# KiCad board Panel_R0.5.1_300x300_2layer_step1.kicad_pcb (continued)
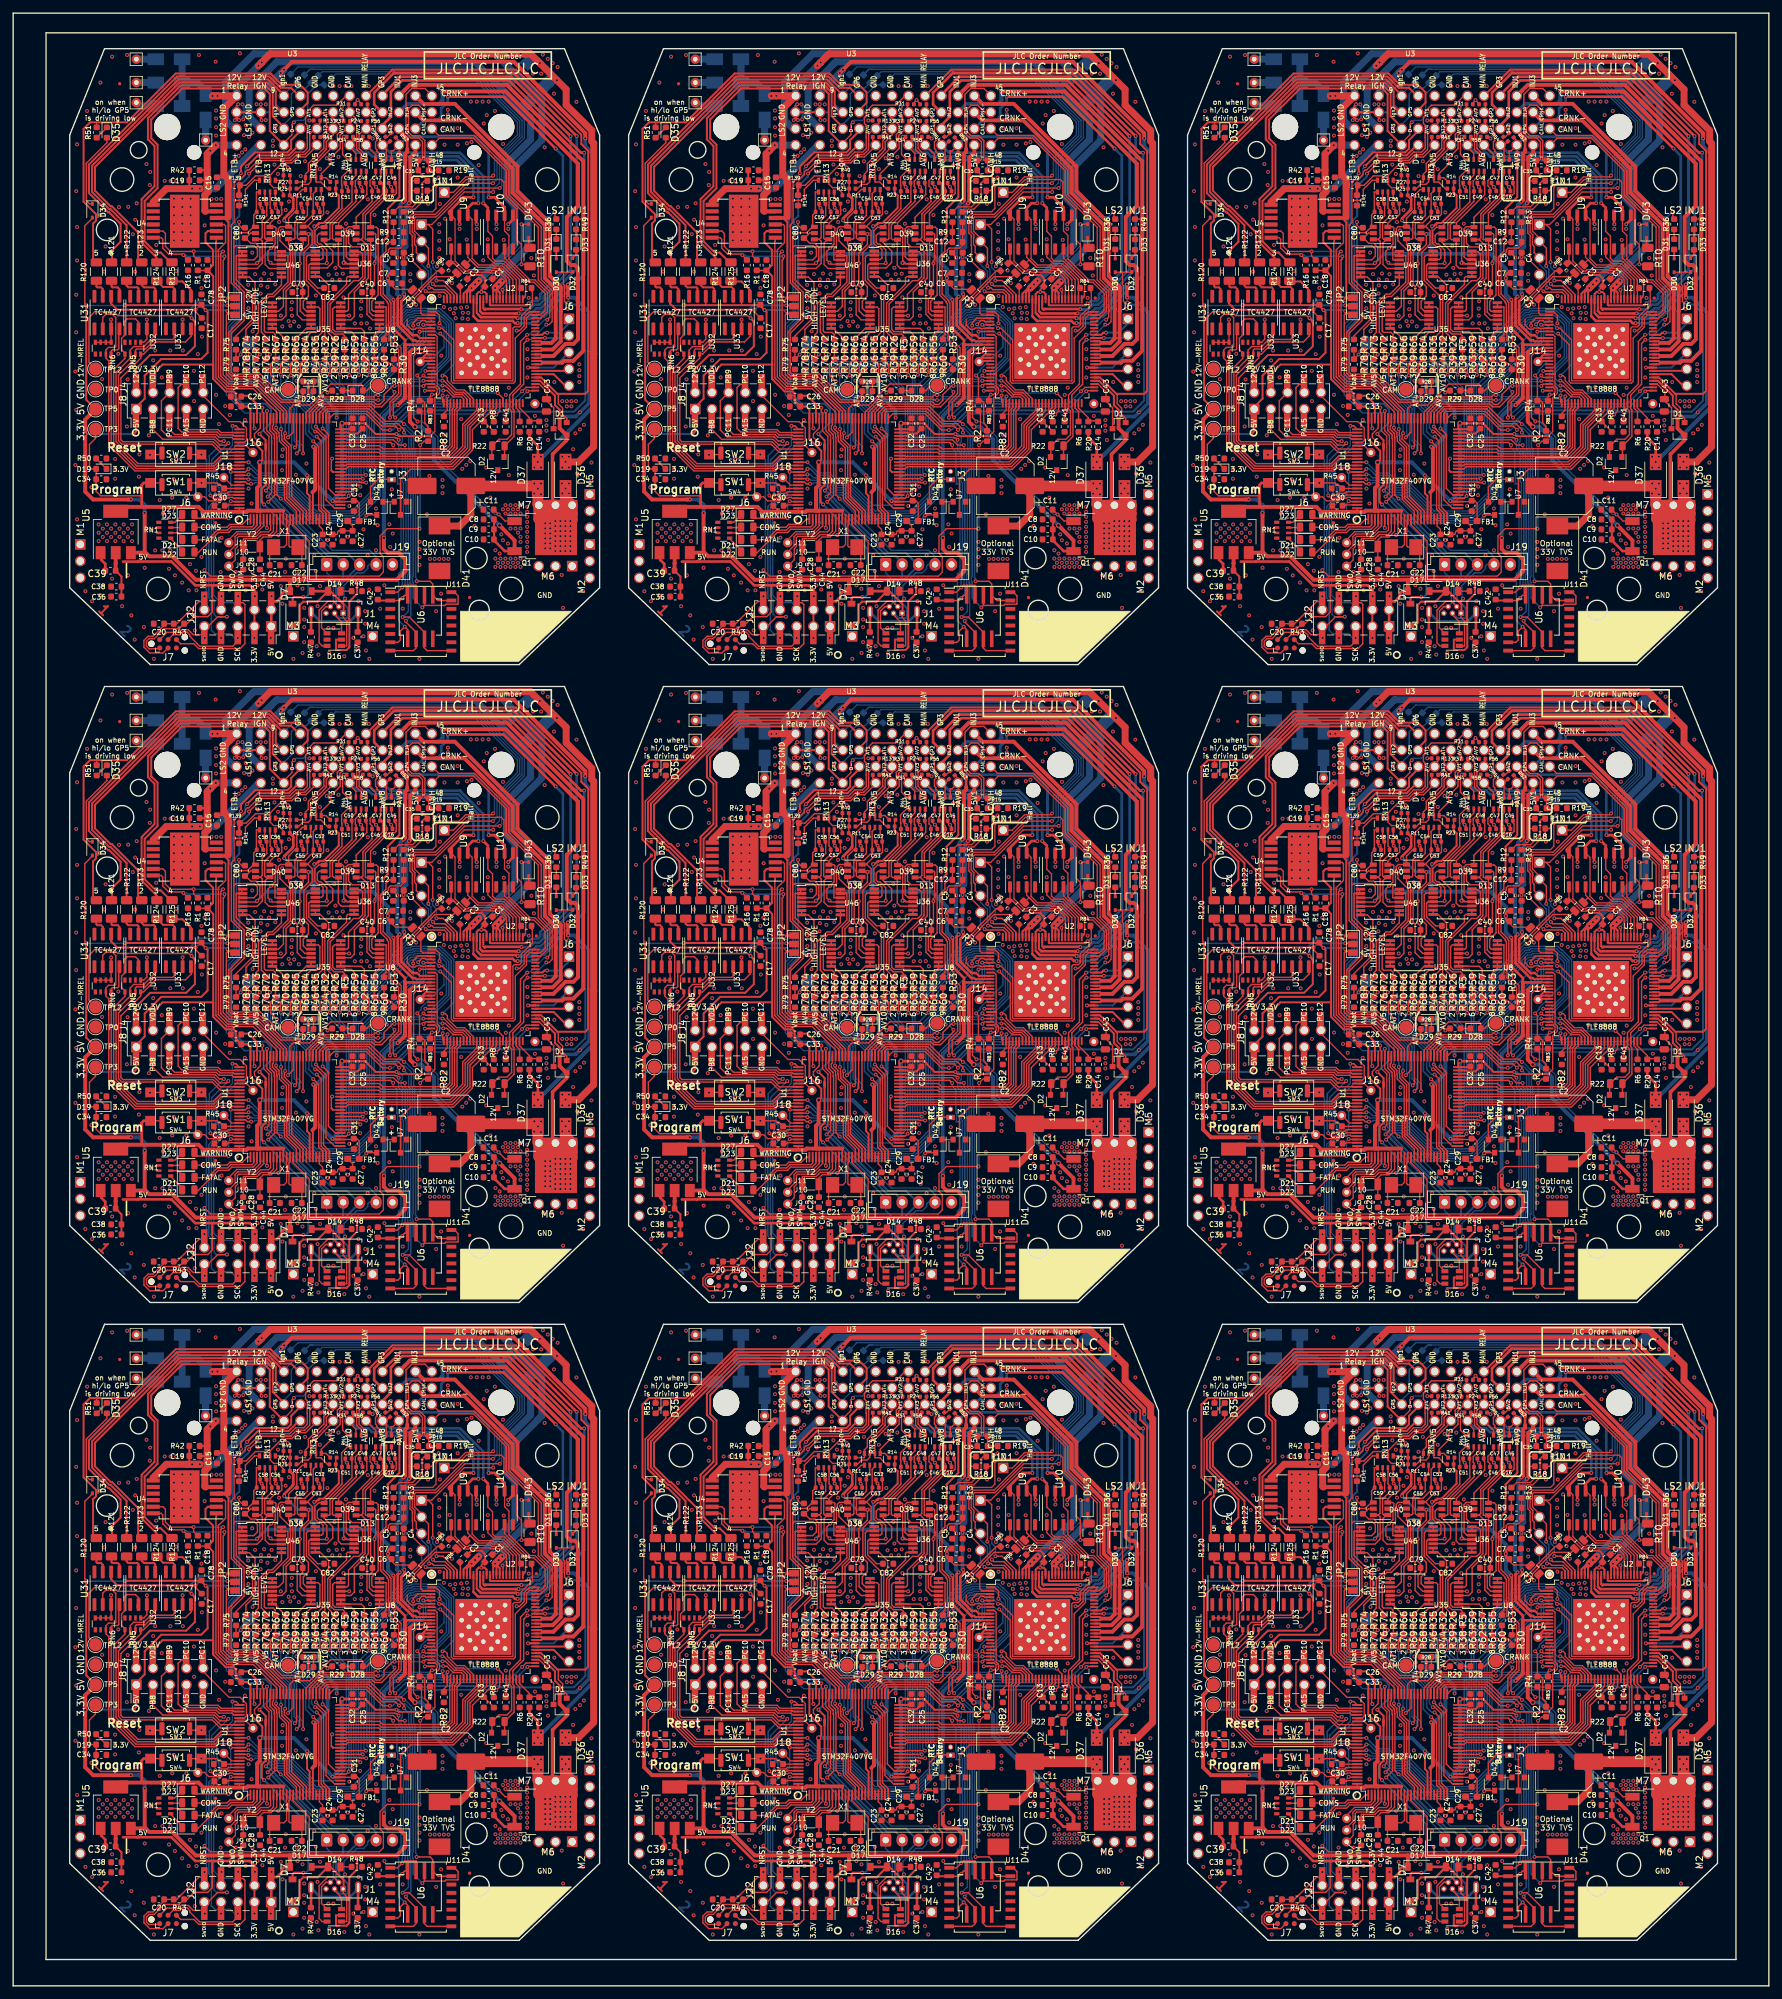
[diagram p0: board, top side]
## Nets (continued)
/hi-lo/GP5_MCU: RN6.7 RN6#2.7 RN6#3.7 RN6#4.7 RN6#5.7 RN6#6.7 RN6#7.7 RN6#8.7 RN6#9.7 U1.88 U1#2.88 U1#3.88 U1#4.88 U1#5.88 U1#6.88 U1#7.88 U1#8.88 U1#9.88 U31.2 U31#2.2 U31#3.2 U31#4.2 U31#5.2 U31#6.2 U31#7.2 U31#8.2 U31#9.2
/hi-lo/GP6_MCU: RN6.8 RN6#2.8 RN6#3.8 RN6#4.8 RN6#5.8 RN6#6.8 RN6#7.8 RN6#8.8 RN6#9.8 U1.87 U1#2.87 U1#3.87 U1#4.87 U1#5.87 U1#6.87 U1#7.87 U1#8.87 U1#9.87 U31.4 U31#2.4 U31#3.4 U31#4.4 U31#5.4 U31#6.4 U31#7.4 U31#8.4 U31#9.4
/hi-lo/Ign1_MCU: RN5.5 RN5#2.5 RN5#3.5 RN5#4.5 RN5#5.5 RN5#6.5 RN5#7.5 RN5#8.5 RN5#9.5 U1.85 U1#2.85 U1#3.85 U1#4.85 U1#5.85 U1#6.85 U1#7.85 U1#8.85 U1#9.85 U32.2 U32#2.2 U32#3.2 U32#4.2 U32#5.2 U32#6.2 U32#7.2 U32#8.2 U32#9.2
/hi-lo/Ign2_MCU: RN5.6 RN5#2.6 RN5#3.6 RN5#4.6 RN5#5.6 RN5#6.6 RN5#7.6 RN5#8.6 RN5#9.6 U1.84 U1#2.84 U1#3.84 U1#4.84 U1#5.84 U1#6.84 U1#7.84 U1#8.84 U1#9.84 U32.4 U32#2.4 U32#3.4 U32#4.4 U32#5.4 U32#6.4 U32#7.4 U32#8.4 U32#9.4
/hi-lo/Ign3_MCU: RN5.7 RN5#2.7 RN5#3.7 RN5#4.7 RN5#5.7 RN5#6.7 RN5#7.7 RN5#8.7 RN5#9.7 U1.83 U1#2.83 U1#3.83 U1#4.83 U1#5.83 U1#6.83 U1#7.83 U1#8.83 U1#9.83 U33.2 U33#2.2 U33#3.2 U33#4.2 U33#5.2 U33#6.2 U33#7.2 U33#8.2 U33#9.2
/hi-lo/Ign4_MCU: RN5.8 RN5#2.8 RN5#3.8 RN5#4.8 RN5#5.8 RN5#6.8 RN5#7.8 RN5#8.8 RN5#9.8 U1.82 U1#2.82 U1#3.82 U1#4.82 U1#5.82 U1#6.82 U1#7.82 U1#8.82 U1#9.82 U33.4 U33#2.4 U33#3.4 U33#4.4 U33#5.4 U33#6.4 U33#7.4 U33#8.4 U33#9.4
/Ign1: R21.1 R21#2.1 R21#3.1 R21#4.1 R21#5.1 R21#6.1 R21#7.1 R21#8.1 R21#9.1 R122.1 R122#2.1 R122#3.1 R122#4.1 R122#5.1 R122#6.1 R122#7.1 R122#8.1 R122#9.1 U3.9 U3#2.9 U3#3.9 U3#4.9 U3#5.9 U3#6.9 U3#7.9 U3#8.9 U3#9.9
/Ign2: R33.1 R33#2.1 R33#3.1 R33#4.1 R33#5.1 R33#6.1 R33#7.1 R33#8.1 R33#9.1 R123.1 R123#2.1 R123#3.1 R123#4.1 R123#5.1 R123#6.1 R123#7.1 R123#8.1 R123#9.1 U3.10 U3#2.10 U3#3.10 U3#4.10 U3#5.10 U3#6.10 U3#7.10 U3#8.10 U3#9.10
/Ign3: R80.1 R80#2.1 R80#3.1 R80#4.1 R80#5.1 R80#6.1 R80#7.1 R80#8.1 R80#9.1 R124.1 R124#2.1 R124#3.1 R124#4.1 R124#5.1 R124#6.1 R124#7.1 R124#8.1 R124#9.1 U3.11 U3#2.11 U3#3.11 U3#4.11 U3#5.11 U3#6.11 U3#7.11 U3#8.11 U3#9.11
/Ign4: R81.1 R81#2.1 R81#3.1 R81#4.1 R81#5.1 R81#6.1 R81#7.1 R81#8.1 R81#9.1 R125.1 R125#2.1 R125#3.1 R125#4.1 R125#5.1 R125#6.1 R125#7.1 R125#8.1 R125#9.1 U3.12 U3#2.12 U3#3.12 U3#4.12 U3#5.12 U3#6.12 U3#7.12 U3#8.12 U3#9.12
/INJECTOR-1: R49.2 R49#2.2 R49#3.2 R49#4.2 R49#5.2 R49#6.2 R49#7.2 R49#8.2 R49#9.2 U2.59 U2.60 U2#2.59 U2#2.60 U2#3.59 U2#3.60 U2#4.59 U2#4.60 U2#5.59 U2#5.60 U2#6.59 U2#6.60 U2#7.59 U2#7.60 U2#8.59 U2#8.60 U2#9.59 U2#9.60 U3.37 U3#2.37 U3#3.37 U3#4.37 U3#5.37 U3#6.37 U3#7.37 U3#8.37 U3#9.37
/INJECTOR-2: U2.61 U2.62 U2#2.61 U2#2.62 U2#3.61 U2#3.62 U2#4.61 U2#4.62 U2#5.61 U2#5.62 U2#6.61 U2#6.62 U2#7.61 U2#7.62 U2#8.61 U2#8.62 U2#9.61 U2#9.62 U3.38 U3#2.38 U3#3.38 U3#4.38 U3#5.38 U3#6.38 U3#7.38 U3#8.38 U3#9.38
/INJECTOR-3: U2.63 U2.64 U2#2.63 U2#2.64 U2#3.63 U2#3.64 U2#4.63 U2#4.64 U2#5.63 U2#5.64 U2#6.63 U2#6.64 U2#7.63 U2#7.64 U2#8.63 U2#8.64 U2#9.63 U2#9.64 U3.41 U3#2.41 U3#3.41 U3#4.41 U3#5.41 U3#6.41 U3#7.41 U3#8.41 U3#9.41
/INJECTOR-4: U2.65 U2.66 U2#2.65 U2#2.66 U2#3.65 U2#3.66 U2#4.65 U2#4.66 U2#5.65 U2#5.66 U2#6.65 U2#6.66 U2#7.65 U2#7.66 U2#8.65 U2#8.66 U2#9.65 U2#9.66 U3.42 U3#2.42 U3#3.42 U3#4.42 U3#5.42 U3#6.42 U3#7.42 U3#8.42 U3#9.42
/LINBUS: R10.2 R10#2.2 R10#3.2 R10#4.2 R10#5.2 R10#6.2 R10#7.2 R10#8.2 R10#9.2 U2.82 U2#2.82 U2#3.82 U2#4.82 U2#5.82 U2#6.82 U2#7.82 U2#8.82 U2#9.82 U3.LIN1 U3#2.LIN1 U3#3.LIN1 U3#4.LIN1 U3#5.LIN1 U3#6.LIN1 U3#7.LIN1 U3#8.LIN1 U3#9.LIN1
/LS1: D15.2 D15#2.2 D15#3.2 D15#4.2 D15#5.2 D15#6.2 D15#7.2 D15#8.2 D15#9.2 U2.92 U2.93 U2.94 U2#2.92 U2#2.93 U2#2.94 U2#3.92 U2#3.93 U2#3.94 U2#4.92 U2#4.93 U2#4.94 U2#5.92 U2#5.93 U2#5.94 U2#6.92 U2#6.93 U2#6.94 U2#7.92 U2#7.93 U2#7.94 U2#8.92 U2#8.93 U2#8.94 U2#9.92 U2#9.93 U2#9.94 U3.7 U3#2.7 U3#3.7 U3#4.7 U3#5.7 U3#6.7 U3#7.7 U3#8.7 U3#9.7
/LS2: D20.2 D20#2.2 D20#3.2 D20#4.2 D20#5.2 D20#6.2 D20#7.2 D20#8.2 D20#9.2 R36.2 R36#2.2 R36#3.2 R36#4.2 R36#5.2 R36#6.2 R36#7.2 R36#8.2 R36#9.2 U2.83 U2.84 U2.85 U2#2.83 U2#2.84 U2#2.85 U2#3.83 U2#3.84 U2#3.85 U2#4.83 U2#4.84 U2#4.85 U2#5.83 U2#5.84 U2#5.85 U2#6.83 U2#6.84 U2#6.85 U2#7.83 U2#7.84 U2#7.85 U2#8.83 U2#8.84 U2#8.85 U2#9.83 U2#9.84 U2#9.85 U3.3 U3#2.3 U3#3.3 U3#4.3 U3#5.3 U3#6.3 U3#7.3 U3#8.3 U3#9.3
/MAIN_RELAY: D1.2 D1#2.2 D1#3.2 D1#4.2 D1#5.2 D1#6.2 D1#7.2 D1#8.2 D1#9.2 U2.55 U2#2.55 U2#3.55 U2#4.55 U2#5.55 U2#6.55 U2#7.55 U2#8.55 U2#9.55 U3.29 U3#2.29 U3#3.29 U3#4.29 U3#5.29 U3#6.29 U3#7.29 U3#8.29 U3#9.29
/MCU/BOOT0: R45.1 R45#2.1 R45#3.1 R45#4.1 R45#5.1 R45#6.1 R45#7.1 R45#8.1 R45#9.1 SW1.2 SW1#2.2 SW1#3.2 SW1#4.2 SW1#5.2 SW1#6.2 SW1#7.2 SW1#8.2 SW1#9.2 SW4.2 SW4#2.2 SW4#3.2 SW4#4.2 SW4#5.2 SW4#6.2 SW4#7.2 SW4#8.2 SW4#9.2 U1.94 U1#2.94 U1#3.94 U1#4.94 U1#5.94 U1#6.94 U1#7.94 U1#8.94 U1#9.94
/MCU/PA10: D16.1 D16#2.1 D16#3.1 D16#4.1 D16#5.1 D16#6.1 D16#7.1 D16#8.1 D16#9.1 J1.4 J1#2.4 J1#3.4 J1#4.4 J1#5.4 J1#6.4 J1#7.4 J1#8.4 J1#9.4 J19.1 J19#2.1 J19#3.1 J19#4.1 J19#5.1 J19#6.1 J19#7.1 J19#8.1 J19#9.1 U1.69 U1#2.69 U1#3.69 U1#4.69 U1#5.69 U1#6.69 U1#7.69 U1#8.69 U1#9.69
/MCU/PA13: J2.9 J2#2.9 J2#3.9 J2#4.9 J2#5.9 J2#6.9 J2#7.9 J2#8.9 J2#9.9 J7.2 J7#2.2 J7#3.2 J7#4.2 J7#5.2 J7#6.2 J7#7.2 J7#8.2 J7#9.2 U1.72 U1#2.72 U1#3.72 U1#4.72 U1#5.72 U1#6.72 U1#7.72 U1#8.72 U1#9.72 U3.J209 U3#2.J209 U3#3.J209 U3#4.J209 U3#5.J209 U3#6.J209 U3#7.J209 U3#8.J209 U3#9.J209
/MCU/PA14: J2.5 J2#2.5 J2#3.5 J2#4.5 J2#5.5 J2#6.5 J2#7.5 J2#8.5 J2#9.5 J7.4 J7#2.4 J7#3.4 J7#4.4 J7#5.4 J7#6.4 J7#7.4 J7#8.4 J7#9.4 U1.76 U1#2.76 U1#3.76 U1#4.76 U1#5.76 U1#6.76 U1#7.76 U1#8.76 U1#9.76 U3.J205 U3#2.J205 U3#3.J205 U3#4.J205 U3#5.J205 U3#6.J205 U3#7.J205 U3#8.J205 U3#9.J205
/MCU/PB2-BOOT1: NT2.2 NT2#2.2 NT2#3.2 NT2#4.2 NT2#5.2 NT2#6.2 NT2#7.2 NT2#8.2 NT2#9.2 U1.37 U1#2.37 U1#3.37 U1#4.37 U1#5.37 U1#6.37 U1#7.37 U1#8.37 U1#9.37
/MCU/PB7: U1.93 U1#2.93 U1#3.93 U1#4.93 U1#5.93 U1#6.93 U1#7.93 U1#8.93 U1#9.93 U3.J18 U3#2.J18 U3#3.J18 U3#4.J18 U3#5.J18 U3#6.J18 U3#7.J18 U3#8.J18 U3#9.J18
/MCU/PB10: U1.47 U1#2.47 U1#3.47 U1#4.47 U1#5.47 U1#6.47 U1#7.47 U1#8.47 U1#9.47 U6.3 U6#2.3 U6#3.3 U6#4.3 U6#5.3 U6#6.3 U6#7.3 U6#8.3 U6#9.3 U11.9 U11#2.9 U11#3.9 U11#4.9 U11#5.9 U11#6.9 U11#7.9 U11#8.9 U11#9.9
/MCU/PB13: U1.52 U1#2.52 U1#3.52 U1#4.52 U1#5.52 U1#6.52 U1#7.52 U1#8.52 U1#9.52 U6.6 U6#2.6 U6#3.6 U6#4.6 U6#5.6 U6#6.6 U6#7.6 U6#8.6 U6#9.6 U11.16 U11#2.16 U11#3.16 U11#4.16 U11#5.16 U11#6.16 U11#7.16 U11#8.16 U11#9.16
/MCU/PB14: U1.53 U1#2.53 U1#3.53 U1#4.53 U1#5.53 U1#6.53 U1#7.53 U1#8.53 U1#9.53 U6.2 U6#2.2 U6#3.2 U6#4.2 U6#5.2 U6#6.2 U6#7.2 U6#8.2 U6#9.2 U11.8 U11#2.8 U11#3.8 U11#4.8 U11#5.8 U11#6.8 U11#7.8 U11#8.8 U11#9.8
/MCU/PB15: U1.54 U1#2.54 U1#3.54 U1#4.54 U1#5.54 U1#6.54 U1#7.54 U1#8.54 U1#9.54 U6.5 U6#2.5 U6#3.5 U6#4.5 U6#5.5 U6#6.5 U6#7.5 U6#8.5 U6#9.5 U11.15 U11#2.15 U11#3.15 U11#4.15 U11#5.15 U11#6.15 U11#7.15 U11#8.15 U11#9.15
/MCU/PC7: R16.1 R16#2.1 R16#3.1 R16#4.1 R16#5.1 R16#6.1 R16#7.1 R16#8.1 R16#9.1 U1.64 U1#2.64 U1#3.64 U1#4.64 U1#5.64 U1#6.64 U1#7.64 U1#8.64 U1#9.64 U4.12 U4#2.12 U4#3.12 U4#4.12 U4#5.12 U4#6.12 U4#7.12 U4#8.12 U4#9.12
/MCU/PC9: U1.66 U1#2.66 U1#3.66 U1#4.66 U1#5.66 U1#6.66 U1#7.66 U1#8.66 U1#9.66 U4.3 U4#2.3 U4#3.3 U4#4.3 U4#5.3 U4#6.3 U4#7.3 U4#8.3 U4#9.3
/MCU/PC13: U1.7 U1#2.7 U1#3.7 U1#4.7 U1#5.7 U1#6.7 U1#7.7 U1#8.7 U1#9.7 U3.J9 U3#2.J9 U3#3.J9 U3#4.J9 U3#5.J9 U3#6.J9 U3#7.J9 U3#8.J9 U3#9.J9
/MCU/PD0: U1.81 U1#2.81 U1#3.81 U1#4.81 U1#5.81 U1#6.81 U1#7.81 U1#8.81 U1#9.81 U3.J16 U3#2.J16 U3#3.J16 U3#4.J16 U3#5.J16 U3#6.J16 U3#7.J16 U3#8.J16 U3#9.J16
/MCU/PE0: U1.97 U1#2.97 U1#3.97 U1#4.97 U1#5.97 U1#6.97 U1#7.97 U1#8.97 U1#9.97 U3.J6 U3#2.J6 U3#3.J6 U3#4.J6 U3#5.J6 U3#6.J6 U3#7.J6 U3#8.J6 U3#9.J6
/MCU/PE5: U1.4 U1#2.4 U1#3.4 U1#4.4 U1#5.4 U1#6.4 U1#7.4 U1#8.4 U1#9.4 U3.J11 U3#2.J11 U3#3.J11 U3#4.J11 U3#5.J11 U3#6.J11 U3#7.J11 U3#8.J11 U3#9.J11
/MCU/PE6: U1.5 U1#2.5 U1#3.5 U1#4.5 U1#5.5 U1#6.5 U1#7.5 U1#8.5 U1#9.5 U3.J10 U3#2.J10 U3#3.J10 U3#4.J10 U3#5.J10 U3#6.J10 U3#7.J10 U3#8.J10 U3#9.J10
/MCU/shield: C37.1 C37#2.1 C37#3.1 C37#4.1 C37#5.1 C37#6.1 C37#7.1 C37#8.1 C37#9.1 J1.6 J1#2.6 J1#3.6 J1#4.6 J1#5.6 J1#6.6 J1#7.6 J1#8.6 J1#9.6 R47.1 R47#2.1 R47#3.1 R47#4.1 R47#5.1 R47#6.1 R47#7.1 R47#8.1 R47#9.1
/MCU/USB_VBUS: D7.1 D7#2.1 D7#3.1 D7#4.1 D7#5.1 D7#6.1 D7#7.1 D7#8.1 D7#9.1 D14.2 D14#2.2 D14#3.2 D14#4.2 D14#5.2 D14#6.2 D14#7.2 D14#8.2 D14#9.2 D16.4 D16#2.4 D16#3.4 D16#4.4 D16#5.4 D16#6.4 D16#7.4 D16#8.4 D16#9.4 D17.2 D17#2.2 D17#3.2 D17#4.2 D17#5.2 D17#6.2 D17#7.2 D17#8.2 D17#9.2 J1.1 J1#2.1 J1#3.1 J1#4.1 J1#5.1 J1#6.1 J1#7.1 J1#8.1 J1#9.1 J19.4 J19#2.4 J19#3.4 J19#4.4 J19#5.4 J19#6.4 J19#7.4 J19#8.4 J19#9.4 NT1.2 NT1#2.2 NT1#3.2 NT1#4.2 NT1#5.2 NT1#6.2 NT1#7.2 NT1#8.2 NT1#9.2
/MCU/Vrtc: D42.2 D42#2.2 D42#3.2 D42#4.2 D42#5.2 D42#6.2 D42#7.2 D42#8.2 D42#9.2 U3.J31 U3#2.J31 U3#3.J31 U3#4.J31 U3#5.J31 U3#6.J31 U3#7.J31 U3#8.J31 U3#9.J31
/MCU/Vrtcc: D42.3 D42#2.3 D42#3.3 D42#4.3 D42#5.3 D42#6.3 D42#7.3 D42#8.3 D42#9.3 U1.6 U1#2.6 U1#3.6 U1#4.6 U1#5.6 U1#6.6 U1#7.6 U1#8.6 U1#9.6
/PA15: J4.7 J4#2.7 J4#3.7 J4#4.7 J4#5.7 J4#6.7 J4#7.7 J4#8.7 J4#9.7 U1.77 U1#2.77 U1#3.77 U1#4.77 U1#5.77 U1#6.77 U1#7.77 U1#8.77 U1#9.77 U3.J807 U3#2.J807 U3#3.J807 U3#4.J807 U3#5.J807 U3#6.J807 U3#7.J807 U3#8.J807 U3#9.J807
/PB8: J4.3 J4#2.3 J4#3.3 J4#4.3 J4#5.3 J4#6.3 J4#7.3 J4#8.3 J4#9.3 U1.95 U1#2.95 U1#3.95 U1#4.95 U1#5.95 U1#6.95 U1#7.95 U1#8.95 U1#9.95 U3.J803 U3#2.J803 U3#3.J803 U3#4.J803 U3#5.J803 U3#6.J803 U3#7.J803 U3#8.J803 U3#9.J803
/PB9: J4.6 J4#2.6 J4#3.6 J4#4.6 J4#5.6 J4#6.6 J4#7.6 J4#8.6 J4#9.6 U1.96 U1#2.96 U1#3.96 U1#4.96 U1#5.96 U1#6.96 U1#7.96 U1#8.96 U1#9.96 U3.J806 U3#2.J806 U3#3.J806 U3#4.J806 U3#5.J806 U3#6.J806 U3#7.J806 U3#8.J806 U3#9.J806
/PC10: J4.8 J4#2.8 J4#3.8 J4#4.8 J4#5.8 J4#6.8 J4#7.8 J4#8.8 J4#9.8 U1.78 U1#2.78 U1#3.78 U1#4.78 U1#5.78 U1#6.78 U1#7.78 U1#8.78 U1#9.78 U3.J808 U3#2.J808 U3#3.J808 U3#4.J808 U3#5.J808 U3#6.J808 U3#7.J808 U3#8.J808 U3#9.J808
/PC11: J4.5 J4#2.5 J4#3.5 J4#4.5 J4#5.5 J4#6.5 J4#7.5 J4#8.5 J4#9.5 U1.79 U1#2.79 U1#3.79 U1#4.79 U1#5.79 U1#6.79 U1#7.79 U1#8.79 U1#9.79 U3.J805 U3#2.J805 U3#3.J805 U3#4.J805 U3#5.J805 U3#6.J805 U3#7.J805 U3#8.J805 U3#9.J805
/PC12: J4.10 J4#2.10 J4#3.10 J4#4.10 J4#5.10 J4#6.10 J4#7.10 J4#8.10 J4#9.10 U1.80 U1#2.80 U1#3.80 U1#4.80 U1#5.80 U1#6.80 U1#7.80 U1#8.80 U1#9.80 U3.J810 U3#2.J810 U3#3.J810 U3#4.J810 U3#5.J810 U3#6.J810 U3#7.J810 U3#8.J810 U3#9.J810
/PD12: U1.59 U1#2.59 U1#3.59 U1#4.59 U1#5.59 U1#6.59 U1#7.59 U1#8.59 U1#9.59 U2.32 U2#2.32 U2#3.32 U2#4.32 U2#5.32 U2#6.32 U2#7.32 U2#8.32 U2#9.32
/PD13: U1.60 U1#2.60 U1#3.60 U1#4.60 U1#5.60 U1#6.60 U1#7.60 U1#8.60 U1#9.60 U2.33 U2#2.33 U2#3.33 U2#4.33 U2#5.33 U2#6.33 U2#7.33 U2#8.33 U2#9.33
/PD14: U1.61 U1#2.61 U1#3.61 U1#4.61 U1#5.61 U1#6.61 U1#7.61 U1#8.61 U1#9.61 U2.34 U2#2.34 U2#3.34 U2#4.34 U2#5.34 U2#6.34 U2#7.34 U2#8.34 U2#9.34
/PD15: U1.62 U1#2.62 U1#3.62 U1#4.62 U1#5.62 U1#6.62 U1#7.62 U1#8.62 U1#9.62 U2.35 U2#2.35 U2#3.35 U2#4.35 U2#5.35 U2#6.35 U2#7.35 U2#8.35 U2#9.35
/PE1: D27.2 D27#2.2 D27#3.2 D27#4.2 D27#5.2 D27#6.2 D27#7.2 D27#8.2 D27#9.2 U1.98 U1#2.98 U1#3.98 U1#4.98 U1#5.98 U1#6.98 U1#7.98 U1#8.98 U1#9.98
/PE2: D23.2 D23#2.2 D23#3.2 D23#4.2 D23#5.2 D23#6.2 D23#7.2 D23#8.2 D23#9.2 U1.1 U1#2.1 U1#3.1 U1#4.1 U1#5.1 U1#6.1 U1#7.1 U1#8.1 U1#9.1
/PE3: D21.2 D21#2.2 D21#3.2 D21#4.2 D21#5.2 D21#6.2 D21#7.2 D21#8.2 D21#9.2 U1.2 U1#2.2 U1#3.2 U1#4.2 U1#5.2 U1#6.2 U1#7.2 U1#8.2 U1#9.2
/PE4: D22.2 D22#2.2 D22#3.2 D22#4.2 D22#5.2 D22#6.2 D22#7.2 D22#8.2 D22#9.2 U1.3 U1#2.3 U1#3.3 U1#4.3 U1#5.3 U1#6.3 U1#7.3 U1#8.3 U1#9.3
/RST: C20.2 C20#2.2 C20#3.2 C20#4.2 C20#5.2 C20#6.2 C20#7.2 C20#8.2 C20#9.2 J2.10 J2#2.10 J2#3.10 J2#4.10 J2#5.10 J2#6.10 J2#7.10 J2#8.10 J2#9.10 J7.3 J7#2.3 J7#3.3 J7#4.3 J7#5.3 J7#6.3 J7#7.3 J7#8.3 J7#9.3 R2.2 R2#2.2 R2#3.2 R2#4.2 R2#5.2 R2#6.2 R2#7.2 R2#8.2 R2#9.2 R43.2 R43#2.2 R43#3.2 R43#4.2 R43#5.2 R43#6.2 R43#7.2 R43#8.2 R43#9.2 SW2.1 SW2#2.1 SW2#3.1 SW2#4.1 SW2#5.1 SW2#6.1 SW2#7.1 SW2#8.1 SW2#9.1 SW3.1 SW3#2.1 SW3#3.1 SW3#4.1 SW3#5.1 SW3#6.1 SW3#7.1 SW3#8.1 SW3#9.1 U1.14 U1#2.14 U1#3.14 U1#4.14 U1#5.14 U1#6.14 U1#7.14 U1#8.14 U1#9.14 U3.J210 U3#2.J210 U3#3.J210 U3#4.J210 U3#5.J210 U3#6.J210 U3#7.J210 U3#8.J210 U3#9.J210
/SCK: J2.6 J2#2.6 J2#3.6 J2#4.6 J2#5.6 J2#6.6 J2#7.6 J2#8.6 J2#9.6 J7.6 J7#2.6 J7#3.6 J7#4.6 J7#5.6 J7#6.6 J7#7.6 J7#8.6 J7#9.6 U1.89 U1#2.89 U1#3.89 U1#4.89 U1#5.89 U1#6.89 U1#7.89 U1#8.89 U1#9.89 U2.7 U2#2.7 U2#3.7 U2#4.7 U2#5.7 U2#6.7 U2#7.7 U2#8.7 U2#9.7 U3.J206 U3#2.J206 U3#3.J206 U3#4.J206 U3#5.J206 U3#6.J206 U3#7.J206 U3#8.J206 U3#9.J206
/SI: U1.91 U1#2.91 U1#3.91 U1#4.91 U1#5.91 U1#6.91 U1#7.91 U1#8.91 U1#9.91 U2.5 U2#2.5 U2#3.5 U2#4.5 U2#5.5 U2#6.5 U2#7.5 U2#8.5 U2#9.5
/SO: U1.90 U1#2.90 U1#3.90 U1#4.90 U1#5.90 U1#6.90 U1#7.90 U1#8.90 U1#9.90 U2.4 U2#2.4 U2#3.4 U2#4.4 U2#5.4 U2#6.4 U2#7.4 U2#8.4 U2#9.4
/TLE8888-1QK/BAT_STBY: C43.1 C43#2.1 C43#3.1 C43#4.1 C43#5.1 C43#6.1 C43#7.1 C43#8.1 C43#9.1 D1.3 D1#2.3 D1#3.3 D1#4.3 D1#5.3 D1#6.3 D1#7.3 D1#8.3 D1#9.3 U2.53 U2#2.53 U2#3.53 U2#4.53 U2#5.53 U2#6.53 U2#7.53 U2#8.53 U2#9.53
/TLE8888-1QK/CAN_RX: U1.51 U1#2.51 U1#3.51 U1#4.51 U1#5.51 U1#6.51 U1#7.51 U1#8.51 U1#9.51 U2.43 U2#2.43 U2#3.43 U2#4.43 U2#5.43 U2#6.43 U2#7.43 U2#8.43 U2#9.43
/TLE8888-1QK/CAN_TX: U1.92 U1#2.92 U1#3.92 U1#4.92 U1#5.92 U1#6.92 U1#7.92 U1#8.92 U1#9.92 U2.44 U2#2.44 U2#3.44 U2#4.44 U2#5.44 U2#6.44 U2#7.44 U2#8.44 U2#9.44
/TLE8888-1QK/IGN_EN: R82.1 R82#2.1 R82#3.1 R82#4.1 R82#5.1 R82#6.1 R82#7.1 R82#8.1 R82#9.1 U1.57 U1#2.57 U1#3.57 U1#4.57 U1#5.57 U1#6.57 U1#7.57 U1#8.57 U1#9.57 U2.27 U2#2.27 U2#3.27 U2#4.27 U2#5.27 U2#6.27 U2#7.27 U2#8.27 U2#9.27
/TLE8888-1QK/IGN_OUT_1: R21.2 R21#2.2 R21#3.2 R21#4.2 R21#5.2 R21#6.2 R21#7.2 R21#8.2 R21#9.2 U2.96 U2#2.96 U2#3.96 U2#4.96 U2#5.96 U2#6.96 U2#7.96 U2#8.96 U2#9.96 U3.J51 U3#2.J51 U3#3.J51 U3#4.J51 U3#5.J51 U3#6.J51 U3#7.J51 U3#8.J51 U3#9.J51
/TLE8888-1QK/IGN_OUT_2: R33.2 R33#2.2 R33#3.2 R33#4.2 R33#5.2 R33#6.2 R33#7.2 R33#8.2 R33#9.2 U2.97 U2#2.97 U2#3.97 U2#4.97 U2#5.97 U2#6.97 U2#7.97 U2#8.97 U2#9.97 U3.J52 U3#2.J52 U3#3.J52 U3#4.J52 U3#5.J52 U3#6.J52 U3#7.J52 U3#8.J52 U3#9.J52
/TLE8888-1QK/IGN_OUT_3: R80.2 R80#2.2 R80#3.2 R80#4.2 R80#5.2 R80#6.2 R80#7.2 R80#8.2 R80#9.2 U2.98 U2#2.98 U2#3.98 U2#4.98 U2#5.98 U2#6.98 U2#7.98 U2#8.98 U2#9.98 U3.J53 U3#2.J53 U3#3.J53 U3#4.J53 U3#5.J53 U3#6.J53 U3#7.J53 U3#8.J53 U3#9.J53
/TLE8888-1QK/IGN_OUT_4: R81.2 R81#2.2 R81#3.2 R81#4.2 R81#5.2 R81#6.2 R81#7.2 R81#8.2 R81#9.2 U2.99 U2#2.99 U2#3.99 U2#4.99 U2#5.99 U2#6.99 U2#7.99 U2#8.99 U2#9.99 U3.J54 U3#2.J54 U3#3.J54 U3#4.J54 U3#5.J54 U3#6.J54 U3#7.J54 U3#8.J54 U3#9.J54
/TLE8888-1QK/IN_9: U1.41 U1#2.41 U1#3.41 U1#4.41 U1#5.41 U1#6.41 U1#7.41 U1#8.41 U1#9.41 U2.36 U2#2.36 U2#3.36 U2#4.36 U2#5.36 U2#6.36 U2#7.36 U2#8.36 U2#9.36
/TLE8888-1QK/IN_10: U1.40 U1#2.40 U1#3.40 U1#4.40 U1#5.40 U1#6.40 U1#7.40 U1#8.40 U1#9.40 U2.37 U2#2.37 U2#3.37 U2#4.37 U2#5.37 U2#6.37 U2#7.37 U2#8.37 U2#9.37
/TLE8888-1QK/IN_11: U1.39 U1#2.39 U1#3.39 U1#4.39 U1#5.39 U1#6.39 U1#7.39 U1#8.39 U1#9.39 U2.38 U2#2.38 U2#3.38 U2#4.38 U2#5.38 U2#6.38 U2#7.38 U2#8.38 U2#9.38
/TLE8888-1QK/IN_12: U1.38 U1#2.38 U1#3.38 U1#4.38 U1#5.38 U1#6.38 U1#7.38 U1#8.38 U1#9.38 U2.39 U2#2.39 U2#3.39 U2#4.39 U2#5.39 U2#6.39 U2#7.39 U2#8.39 U2#9.39
/TLE8888-1QK/INJ_EN: R83.1 R83#2.1 R83#3.1 R83#4.1 R83#5.1 R83#6.1 R83#7.1 R83#8.1 R83#9.1 U1.58 U1#2.58 U1#3.58 U1#4.58 U1#5.58 U1#6.58 U1#7.58 U1#8.58 U1#9.58 U2.24 U2#2.24 U2#3.24 U2#4.24 U2#5.24 U2#6.24 U2#7.24 U2#8.24 U2#9.24
/TLE8888-1QK/INJ_IN_1: U1.45 U1#2.45 U1#3.45 U1#4.45 U1#5.45 U1#6.45 U1#7.45 U1#8.45 U1#9.45 U2.28 U2#2.28 U2#3.28 U2#4.28 U2#5.28 U2#6.28 U2#7.28 U2#8.28 U2#9.28
/TLE8888-1QK/INJ_IN_2: U1.44 U1#2.44 U1#3.44 U1#4.44 U1#5.44 U1#6.44 U1#7.44 U1#8.44 U1#9.44 U2.29 U2#2.29 U2#3.29 U2#4.29 U2#5.29 U2#6.29 U2#7.29 U2#8.29 U2#9.29
/TLE8888-1QK/INJ_IN_3: U1.43 U1#2.43 U1#3.43 U1#4.43 U1#5.43 U1#6.43 U1#7.43 U1#8.43 U1#9.43 U2.30 U2#2.30 U2#3.30 U2#4.30 U2#5.30 U2#6.30 U2#7.30 U2#8.30 U2#9.30
/TLE8888-1QK/INJ_IN_4: U1.42 U1#2.42 U1#3.42 U1#4.42 U1#5.42 U1#6.42 U1#7.42 U1#8.42 U1#9.42 U2.31 U2#2.31 U2#3.31 U2#4.31 U2#5.31 U2#6.31 U2#7.31 U2#8.31 U2#9.31
/TLE8888-1QK/KEY: C14.1 C14#2.1 C14#3.1 C14#4.1 C14#5.1 C14#6.1 C14#7.1 C14#8.1 C14#9.1 R20.1 R20#2.1 R20#3.1 R20#4.1 R20#5.1 R20#6.1 R20#7.1 R20#8.1 R20#9.1 U2.49 U2#2.49 U2#3.49 U2#4.49 U2#5.49 U2#6.49 U2#7.49 U2#8.49 U2#9.49
/TLE8888-1QK/LIN_RX: U1.56 U1#2.56 U1#3.56 U1#4.56 U1#5.56 U1#6.56 U1#7.56 U1#8.56 U1#9.56 U2.23 U2#2.23 U2#3.23 U2#4.23 U2#5.23 U2#6.23 U2#7.23 U2#8.23 U2#9.23
/TLE8888-1QK/LIN_TX: U1.55 U1#2.55 U1#3.55 U1#4.55 U1#5.55 U1#6.55 U1#7.55 U1#8.55 U1#9.55 U2.22 U2#2.22 U2#3.22 U2#4.22 U2#5.22 U2#6.22 U2#7.22 U2#8.22 U2#9.22
/TLE8888-1QK/OUT_7: U2.14 U2.15 U2.16 U2#2.14 U2#2.15 U2#2.16 U2#3.14 U2#3.15 U2#3.16 U2#4.14 U2#4.15 U2#4.16 U2#5.14 U2#5.15 U2#5.16 U2#6.14 U2#6.15 U2#6.16 U2#7.14 U2#7.15 U2#7.16 U2#8.14 U2#8.15 U2#8.16 U2#9.14 U2#9.15 U2#9.16 U3.J14 U3#2.J14 U3#3.J14 U3#4.J14 U3#5.J14 U3#6.J14 U3#7.J14 U3#8.J14 U3#9.J14
/TLE8888-1QK/OUT_14: U2.68 U2#2.68 U2#3.68 U2#4.68 U2#5.68 U2#6.68 U2#7.68 U2#8.68 U2#9.68 U3.J61 U3#2.J61 U3#3.J61 U3#4.J61 U3#5.J61 U3#6.J61 U3#7.J61 U3#8.J61 U3#9.J61
/TLE8888-1QK/OUT_15: U2.67 U2#2.67 U2#3.67 U2#4.67 U2#5.67 U2#6.67 U2#7.67 U2#8.67 U2#9.67 U3.J62 U3#2.J62 U3#3.J62 U3#4.J62 U3#5.J62 U3#6.J62 U3#7.J62 U3#8.J62 U3#9.J62
/TLE8888-1QK/OUT_16: U2.58 U2#2.58 U2#3.58 U2#4.58 U2#5.58 U2#6.58 U2#7.58 U2#8.58 U2#9.58 U3.J63 U3#2.J63 U3#3.J63 U3#4.J63 U3#5.J63 U3#6.J63 U3#7.J63 U3#8.J63 U3#9.J63
/TLE8888-1QK/OUT_17: U2.57 U2#2.57 U2#3.57 U2#4.57 U2#5.57 U2#6.57 U2#7.57 U2#8.57 U2#9.57 U3.J64 U3#2.J64 U3#3.J64 U3#4.J64 U3#5.J64 U3#6.J64 U3#7.J64 U3#8.J64 U3#9.J64
/TLE8888-1QK/OUT_18: U2.56 U2#2.56 U2#3.56 U2#4.56 U2#5.56 U2#6.56 U2#7.56 U2#8.56 U2#9.56 U3.J65 U3#2.J65 U3#3.J65 U3#4.J65 U3#5.J65 U3#6.J65 U3#7.J65 U3#8.J65 U3#9.J65
/TLE8888-1QK/RST: R2.1 R2#2.1 R2#3.1 R2#4.1 R2#5.1 R2#6.1 R2#7.1 R2#8.1 R2#9.1 R4.2 R4#2.2 R4#3.2 R4#4.2 R4#5.2 R4#6.2 R4#7.2 R4#8.2 R4#9.2 U2.1 U2#2.1 U2#3.1 U2#4.1 U2#5.1 U2#6.1 U2#7.1 U2#8.1 U2#9.1
/TLE8888-1QK/TLE_MON: R3.1 R3#2.1 R3#3.1 R3#4.1 R3#5.1 R3#6.1 R3#7.1 R3#8.1 R3#9.1 U2.2 U2#2.2 U2#3.2 U2#4.2 U2#5.2 U2#6.2 U2#7.2 U2#8.2 U2#9.2
/TLE8888-1QK/VR+: C12.1 C12#2.1 C12#3.1 C12#4.1 C12#5.1 C12#6.1 C12#7.1 C12#8.1 C12#9.1 R9.1 R9#2.1 R9#3.1 R9#4.1 R9#5.1 R9#6.1 R9#7.1 R9#8.1 R9#9.1 R12.2 R12#2.2 R12#3.2 R12#4.2 R12#5.2 R12#6.2 R12#7.2 R12#8.2 R12#9.2 U2.52 U2#2.52 U2#3.52 U2#4.52 U2#5.52 U2#6.52 U2#7.52 U2#8.52 U2#9.52
/TLE8888-1QK/VR-: C12.2 C12#2.2 C12#3.2 C12#4.2 C12#5.2 C12#6.2 C12#7.2 C12#8.2 C12#9.2 R9.2 R9#2.2 R9#3.2 R9#4.2 R9#5.2 R9#6.2 R9#7.2 R9#8.2 R9#9.2 R13.2 R13#2.2 R13#3.2 R13#4.2 R13#5.2 R13#6.2 R13#7.2 R13#8.2 R13#9.2 U2.51 U2#2.51 U2#3.51 U2#4.51 U2#5.51 U2#6.51 U2#7.51 U2#8.51 U2#9.51
/TLE8888-1QK/WAKE: R6.2 R6#2.2 R6#3.2 R6#4.2 R6#5.2 R6#6.2 R6#7.2 R6#8.2 R6#9.2 U2.48 U2#2.48 U2#3.48 U2#4.48 U2#5.48 U2#6.48 U2#7.48 U2#8.48 U2#9.48
/TLE_OUT10_PRE: R30.1 R30#2.1 R30#3.1 R30#4.1 R30#5.1 R30#6.1 R30#7.1 R30#8.1 R30#9.1 U2.74 U2#2.74 U2#3.74 U2#4.74 U2#5.74 U2#6.74 U2#7.74 U2#8.74 U2#9.74 U10.3 U10#2.3 U10#3.3 U10#4.3 U10#5.3 U10#6.3 U10#7.3 U10#8.3 U10#9.3
/TLE_OUT11_PRE: R84.1 R84#2.1 R84#3.1 R84#4.1 R84#5.1 R84#6.1 R84#7.1 R84#8.1 R84#9.1 U2.77 U2#2.77 U2#3.77 U2#4.77 U2#5.77 U2#6.77 U2#7.77 U2#8.77 U2#9.77 U10.1 U10#2.1 U10#3.1 U10#4.1 U10#5.1 U10#6.1 U10#7.1 U10#8.1 U10#9.1
/TLE_OUT12_PRE: R86.1 R86#2.1 R86#3.1 R86#4.1 R86#5.1 R86#6.1 R86#7.1 R86#8.1 R86#9.1 U2.79 U2#2.79 U2#3.79 U2#4.79 U2#5.79 U2#6.79 U2#7.79 U2#8.79 U2#9.79 U9.3 U9#2.3 U9#3.3 U9#4.3 U9#5.3 U9#6.3 U9#7.3 U9#8.3 U9#9.3
/TLE_OUT13_PRE: R85.1 R85#2.1 R85#3.1 R85#4.1 R85#5.1 R85#6.1 R85#7.1 R85#8.1 R85#9.1 U2.81 U2#2.81 U2#3.81 U2#4.81 U2#5.81 U2#6.81 U2#7.81 U2#8.81 U2#9.81 U9.1 U9#2.1 U9#3.1 U9#4.1 U9#5.1 U9#6.1 U9#7.1 U9#8.1 U9#9.1
/USB_D+: D16.6 D16#2.6 D16#3.6 D16#4.6 D16#5.6 D16#6.6 D16#7.6 D16#8.6 D16#9.6 J1.3 J1#2.3 J1#3.3 J1#4.3 J1#5.3 J1#6.3 J1#7.3 J1#8.3 J1#9.3 J19.3 J19#2.3 J19#3.3 J19#4.3 J19#5.3 J19#6.3 J19#7.3 J19#8.3 J19#9.3 U1.71 U1#2.71 U1#3.71 U1#4.71 U1#5.71 U1#6.71 U1#7.71 U1#8.71 U1#9.71 U3.16 U3#2.16 U3#3.16 U3#4.16 U3#5.16 U3#6.16 U3#7.16 U3#8.16 U3#9.16
/USB_D-: D16.3 D16#2.3 D16#3.3 D16#4.3 D16#5.3 D16#6.3 D16#7.3 D16#8.3 D16#9.3 J1.2 J1#2.2 J1#3.2 J1#4.2 J1#5.2 J1#6.2 J1#7.2 J1#8.2 J1#9.2 J19.2 J19#2.2 J19#3.2 J19#4.2 J19#5.2 J19#6.2 J19#7.2 J19#8.2 J19#9.2 U1.70 U1#2.70 U1#3.70 U1#4.70 U1#5.70 U1#6.70 U1#7.70 U1#8.70 U1#9.70 U3.15 U3#2.15 U3#3.15 U3#4.15 U3#5.15 U3#6.15 U3#7.15 U3#8.15 U3#9.15
Net-(C3-Pad2): C3.2 C3#2.2 C3#3.2 C3#4.2 C3#5.2 C3#6.2 C3#7.2 C3#8.2 C3#9.2 U2.95 U2#2.95 U2#3.95 U2#4.95 U2#5.95 U2#6.95 U2#7.95 U2#8.95 U2#9.95
Net-(C16-Pad1): C16.1 C16#2.1 C16#3.1 C16#4.1 C16#5.1 C16#6.1 C16#7.1 C16#8.1 C16#9.1 D13.6 D13#2.6 D13#3.6 D13#4.6 D13#5.6 D13#6.6 D13#7.6 D13#8.6 D13#9.6 RN2.8 RN2#2.8 RN2#3.8 RN2#4.8 RN2#5.8 RN2#6.8 RN2#7.8 RN2#8.8 RN2#9.8 U8.5 U8#2.5 U8#3.5 U8#4.5 U8#5.5 U8#6.5 U8#7.5 U8#8.5 U8#9.5
Net-(C17-Pad1): C17.1 C17#2.1 C17#3.1 C17#4.1 C17#5.1 C17#6.1 C17#7.1 C17#8.1 C17#9.1 JP2.2 JP2#2.2 JP2#3.2 JP2#4.2 JP2#5.2 JP2#6.2 JP2#7.2 JP2#8.2 JP2#9.2 U31.6 U31#2.6 U31#3.6 U31#4.6 U31#5.6 U31#6.6 U31#7.6 U31#8.6 U31#9.6
Net-(C21-Pad1): C21.1 C21#2.1 C21#3.1 C21#4.1 C21#5.1 C21#6.1 C21#7.1 C21#8.1 C21#9.1 U1.12 U1#2.12 U1#3.12 U1#4.12 U1#5.12 U1#6.12 U1#7.12 U1#8.12 U1#9.12 X1.2 X1#2.2 X1#3.2 X1#4.2 X1#5.2 X1#6.2 X1#7.2 X1#8.2 X1#9.2
Net-(C22-Pad1): C22.1 C22#2.1 C22#3.1 C22#4.1 C22#5.1 C22#6.1 C22#7.1 C22#8.1 C22#9.1 U1.13 U1#2.13 U1#3.13 U1#4.13 U1#5.13 U1#6.13 U1#7.13 U1#8.13 U1#9.13 X1.1 X1#2.1 X1#3.1 X1#4.1 X1#5.1 X1#6.1 X1#7.1 X1#8.1 X1#9.1
Net-(C25-Pad1): C25.1 C25#2.1 C25#3.1 C25#4.1 C25#5.1 C25#6.1 C25#7.1 C25#8.1 C25#9.1 U1.49 U1#2.49 U1#3.49 U1#4.49 U1#5.49 U1#6.49 U1#7.49 U1#8.49 U1#9.49
Net-(C26-Pad1): C26.1 C26#2.1 C26#3.1 C26#4.1 C26#5.1 C26#6.1 C26#7.1 C26#8.1 C26#9.1 U1.73 U1#2.73 U1#3.73 U1#4.73 U1#5.73 U1#6.73 U1#7.73 U1#8.73 U1#9.73
Net-(C28-Pad1): C28.1 C28#2.1 C28#3.1 C28#4.1 C28#5.1 C28#6.1 C28#7.1 C28#8.1 C28#9.1 U1.8 U1#2.8 U1#3.8 U1#4.8 U1#5.8 U1#6.8 U1#7.8 U1#8.8 U1#9.8 Y2.1 Y2#2.1 Y2#3.1 Y2#4.1 Y2#5.1 Y2#6.1 Y2#7.1 Y2#8.1 Y2#9.1
Net-(C44-Pad2): C44.2 C44#2.2 C44#3.2 C44#4.2 C44#5.2 C44#6.2 C44#7.2 C44#8.2 C44#9.2 U1.9 U1#2.9 U1#3.9 U1#4.9 U1#5.9 U1#6.9 U1#7.9 U1#8.9 U1#9.9 Y2.2 Y2#2.2 Y2#3.2 Y2#4.2 Y2#5.2 Y2#6.2 Y2#7.2 Y2#8.2 Y2#9.2
Net-(C45-Pad1): C45.1 C45#2.1 C45#3.1 C45#4.1 C45#5.1 C45#6.1 C45#7.1 C45#8.1 C45#9.1 D13.4 D13#2.4 D13#3.4 D13#4.4 D13#5.4 D13#6.4 D13#7.4 D13#8.4 D13#9.4 RN2.7 RN2#2.7 RN2#3.7 RN2#4.7 RN2#5.7 RN2#6.7 RN2#7.7 RN2#8.7 RN2#9.7 U8.3 U8#2.3 U8#3.3 U8#4.3 U8#5.3 U8#6.3 U8#7.3 U8#8.3 U8#9.3
Net-(C46-Pad1): C46.1 C46#2.1 C46#3.1 C46#4.1 C46#5.1 C46#6.1 C46#7.1 C46#8.1 C46#9.1 D13.3 D13#2.3 D13#3.3 D13#4.3 D13#5.3 D13#6.3 D13#7.3 D13#8.3 D13#9.3 RN2.6 RN2#2.6 RN2#3.6 RN2#4.6 RN2#5.6 RN2#6.6 RN2#7.6 RN2#8.6 RN2#9.6 U8.12 U8#2.12 U8#3.12 U8#4.12 U8#5.12 U8#6.12 U8#7.12 U8#8.12 U8#9.12
Net-(C47-Pad1): C47.1 C47#2.1 C47#3.1 C47#4.1 C47#5.1 C47#6.1 C47#7.1 C47#8.1 C47#9.1 D13.1 D13#2.1 D13#3.1 D13#4.1 D13#5.1 D13#6.1 D13#7.1 D13#8.1 D13#9.1 RN2.5 RN2#2.5 RN2#3.5 RN2#4.5 RN2#5.5 RN2#6.5 RN2#7.5 RN2#8.5 RN2#9.5 U8.10 U8#2.10 U8#3.10 U8#4.10 U8#5.10 U8#6.10 U8#7.10 U8#8.10 U8#9.10
Net-(C48-Pad1): C48.1 C48#2.1 C48#3.1 C48#4.1 C48#5.1 C48#6.1 C48#7.1 C48#8.1 C48#9.1 D39.3 D39#2.3 D39#3.3 D39#4.3 D39#5.3 D39#6.3 D39#7.3 D39#8.3 D39#9.3 RN4.8 RN4#2.8 RN4#3.8 RN4#4.8 RN4#5.8 RN4#6.8 RN4#7.8 RN4#8.8 RN4#9.8 U36.12 U36#2.12 U36#3.12 U36#4.12 U36#5.12 U36#6.12 U36#7.12 U36#8.12 U36#9.12
Net-(C49-Pad1): C49.1 C49#2.1 C49#3.1 C49#4.1 C49#5.1 C49#6.1 C49#7.1 C49#8.1 C49#9.1 D39.1 D39#2.1 D39#3.1 D39#4.1 D39#5.1 D39#6.1 D39#7.1 D39#8.1 D39#9.1 RN4.7 RN4#2.7 RN4#3.7 RN4#4.7 RN4#5.7 RN4#6.7 RN4#7.7 RN4#8.7 RN4#9.7 U36.10 U36#2.10 U36#3.10 U36#4.10 U36#5.10 U36#6.10 U36#7.10 U36#8.10 U36#9.10
Net-(C50-Pad1): C50.1 C50#2.1 C50#3.1 C50#4.1 C50#5.1 C50#6.1 C50#7.1 C50#8.1 C50#9.1 D39.6 D39#2.6 D39#3.6 D39#4.6 D39#5.6 D39#6.6 D39#7.6 D39#8.6 D39#9.6 RN4.6 RN4#2.6 RN4#3.6 RN4#4.6 RN4#5.6 RN4#6.6 RN4#7.6 RN4#8.6 RN4#9.6 U36.5 U36#2.5 U36#3.5 U36#4.5 U36#5.5 U36#6.5 U36#7.5 U36#8.5 U36#9.5
Net-(C51-Pad1): C51.1 C51#2.1 C51#3.1 C51#4.1 C51#5.1 C51#6.1 C51#7.1 C51#8.1 C51#9.1 D39.4 D39#2.4 D39#3.4 D39#4.4 D39#5.4 D39#6.4 D39#7.4 D39#8.4 D39#9.4 RN4.5 RN4#2.5 RN4#3.5 RN4#4.5 RN4#5.5 RN4#6.5 RN4#7.5 RN4#8.5 RN4#9.5 U36.3 U36#2.3 U36#3.3 U36#4.3 U36#5.3 U36#6.3 U36#7.3 U36#8.3 U36#9.3
Net-(C52-Pad1): C52.1 C52#2.1 C52#3.1 C52#4.1 C52#5.1 C52#6.1 C52#7.1 C52#8.1 C52#9.1 D38.6 D38#2.6 D38#3.6 D38#4.6 D38#5.6 D38#6.6 D38#7.6 D38#8.6 D38#9.6 RN3.8 RN3#2.8 RN3#3.8 RN3#4.8 RN3#5.8 RN3#6.8 RN3#7.8 RN3#8.8 RN3#9.8 U35.5 U35#2.5 U35#3.5 U35#4.5 U35#5.5 U35#6.5 U35#7.5 U35#8.5 U35#9.5
Net-(C53-Pad1): C53.1 C53#2.1 C53#3.1 C53#4.1 C53#5.1 C53#6.1 C53#7.1 C53#8.1 C53#9.1 D38.4 D38#2.4 D38#3.4 D38#4.4 D38#5.4 D38#6.4 D38#7.4 D38#8.4 D38#9.4 RN3.7 RN3#2.7 RN3#3.7 RN3#4.7 RN3#5.7 RN3#6.7 RN3#7.7 RN3#8.7 RN3#9.7 U35.3 U35#2.3 U35#3.3 U35#4.3 U35#5.3 U35#6.3 U35#7.3 U35#8.3 U35#9.3
